# Altium PCB CAMA001AA-PCB.PcbDoc (continued)
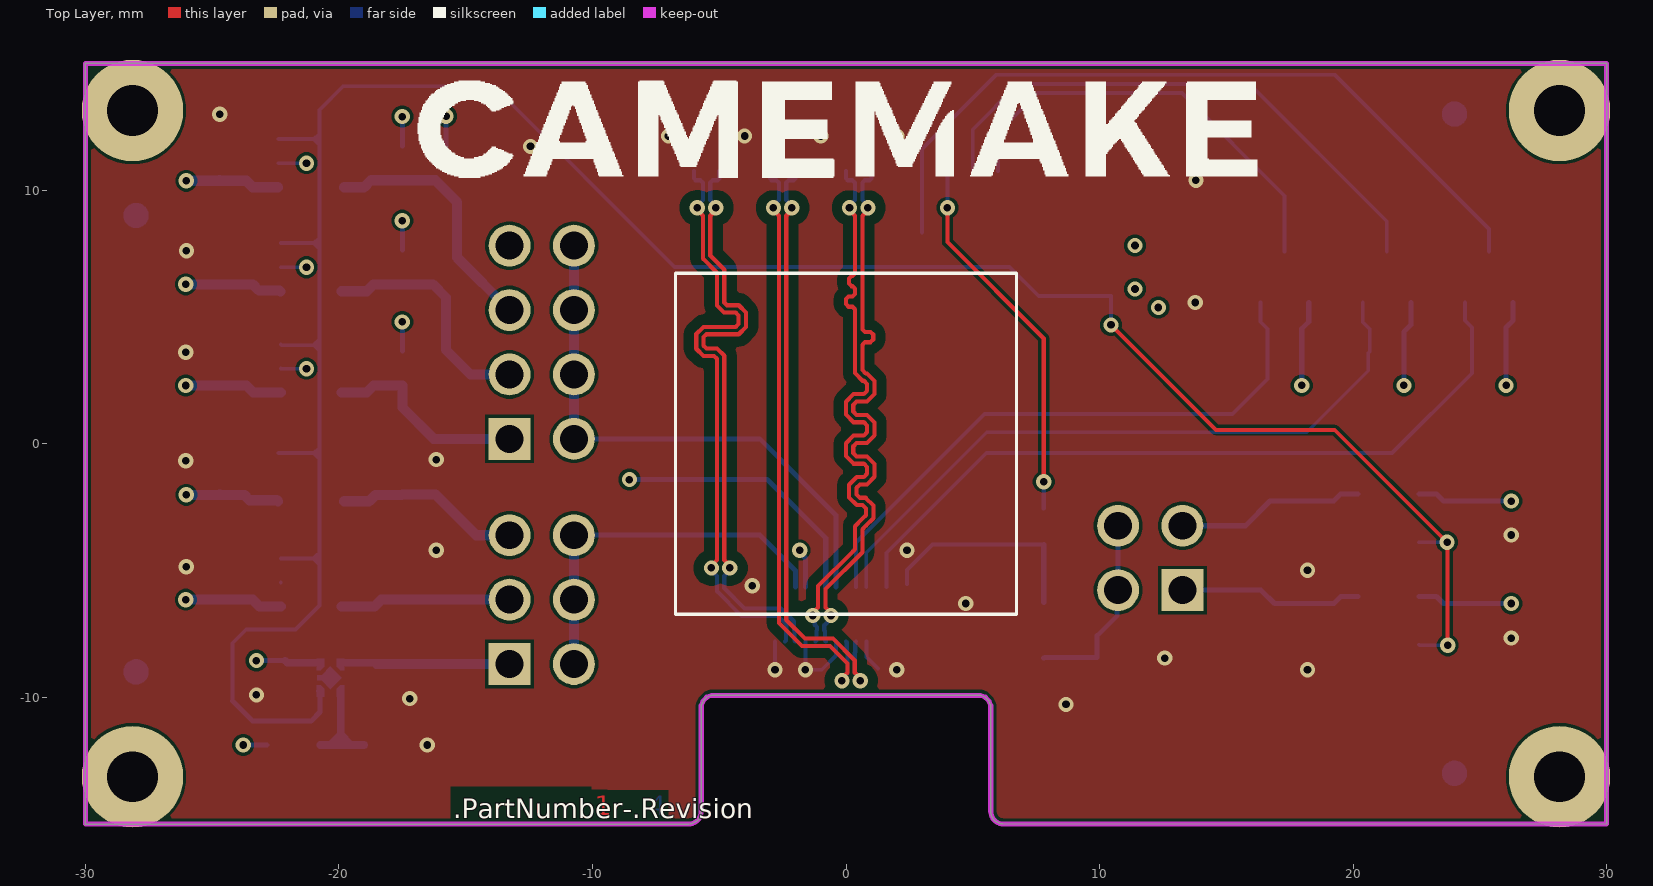
[diagram p0: Top Layer view]
## Footprints (in the part's own frame and the unit in brackets; to place one, negate y for a bottom-side part, rotate by r counter-clockwise, add the part's x,y. Pads: shape width x height; smd on the part's side, far side on the other; paste and mask are expansions set on the pad) (continued)
  Top Layer region: 0,-0.445 -0.446,0 -0.1,0.345 -0.1,0.525 0.1,0.525 0.1,0.345 0.445,0
  silkscreen extent -1.05,-0.45 -0.95,-0.35, body extent -0.6,-0.6 0.6,0.6, height 0.38
"Wurth 61300421121" [mm] "Pin Header, pitch 2.54 mm, THT, Vertical, dual row, 4p"
  rect 1.65x1.65 hole 1.1: 1(-1.27,-1.27)
  round 1.65 hole 1.1: 2(-1.27,1.27) 3(1.27,-1.27) 4(1.27,1.27)
  silkscreen extent -2.69,-2.62 2.69,2.62, body extent -2.54,-2.54 2.54,2.54, height 8.59
"Wurth 61300621121" [mm] "Pin Header, pitch 2.54 mm, THT, Vertical, dual row, 6p"
  rect 1.65x1.65 hole 1.1: 1(-2.54,-1.27)
  round 1.65 hole 1.1: 2(-2.54,1.27) 3(0,-1.27) 4(0,1.27) 5(2.54,-1.27) 6(2.54,1.27)
  silkscreen extent -3.96,-2.62 3.96,2.62, body extent -3.81,-2.54 3.81,2.54, height 8.59
"Wurth 61300821121" [mm] "Pin Header, pitch 2.54 mm, THT, Vertical, dual row, 8p"
  rect 1.65x1.65 hole 1.1: 1(-3.81,-1.27)
  round 1.65 hole 1.1: 2(-3.81,1.27) 3(-1.27,-1.27) 4(-1.27,1.27) 5(1.27,-1.27) 6(1.27,1.27) 7(3.81,-1.27) 8(3.81,1.27)
  silkscreen extent -5.23,-2.62 5.23,2.62, body extent -5.08,-2.54 5.08,2.54, height 8.59
"WURTH 686115183522" [mm] "ZIF Connectors, Horizontal, Bottom Contact Low Profile, pitch 1mm, 15p"
  rect 0.3x1 smd: 1(-7,2.3) 2(-6,2.3) 3(-5,2.3) 4(-4,2.3) 5(-3,2.3) 6(-2,2.3) 7(-1,2.3) 8(0,2.3) 9(1,2.3) 10(2,2.3) 11(3,2.3) 12(4,2.3) 13(5,2.3) 14(6,2.3) 15(7,2.3)
  rect 1.65x1.3 smd: MP1(-9.775,0.4) MP2(9.775,0.4)
  silkscreen extent -10.68,-1.95 10.68,1.95, body extent -10.6,-1.9 10.6,2.35, height 1.24
"Wurth WE-CBF_0805_High Speed" [mm] "SMD EMI Suppression Ferrite  Bead, body 2x1.2mm"
  rect 0.9x1 smd: 1(-1.05,0) 2(1.05,0)
  body extent -1,-0.6 1,0.6, height 0.9

## Part data
C1 C3 C6: library part "Samsung CL10B104KB8NNNL", "CL10 Series 0603 0.1 uF 50 V ±10% Tolerance X7R Multilayer Ceramic Capacitor", Capacitance=100nF, Case/Package=0603, Dielectric=X7R, Manufacturer=Samsung, Max Operating Temperature=125°C, Min Operating Temperature=-55°C, Package Quantity=15000, Supplier Part Number 1=1276-CL10B104KB8NNNLCT-ND, Supplier Part Number 10=CL10B104KB8NNNL-REEL, Supplier Part Number 11=CL10B104KB8NNNL-CUTT, Tolerance=10%, Voltage Rating=50V, Category="Ceramic Capacitors", ComponentLink1Description=https://datasheet.ciiva.com/26838/getdatasheetpartid-357523-26838415.pdf?src-supplier=Verical, ComponentLink1URL=https://datasheet.ciiva.com/26838/getdatasheetpartid-357523-26838415.pdf?src-supplier=Verical, ComponentLink2Description=https://datasheet.ciiva.com/25741/cl10b104kb8nnnl-25741341.pdf?src-supplier=Digi-Key, ComponentLink2URL=https://datasheet.ciiva.com/25741/cl10b104kb8nnnl-25741341.pdf?src-supplier=Digi-Key, Depth=0.8mm, Height=0.8mm, Length=1.6mm, Manufacturer Part Number=CL10B104KB8NNNL, Mount="Surface Mount", Packaging="Tape and Reel", Pricing 1="1=0,10000, 10=0,02900, 50=0,01580, 100=0,01280, 500=0,00916, 1000=0,00720, 2500=0,00654, 5000=0,00602 (USD)", Pricing 2="1=0,10000, 10=0,02900, 50=0,01580, 100=0,01280, 500=0,00916, 1000=0,00720, 2500=0,00654, 5000=0,00602 (USD)", Pricing 3="15000=0,00524, 30000=0,00497, 75000=0,00445, 105000=0,00360, 150000=0,00348, 375000=0,00314 (USD)", Pricing 4="1=0,09800, 1000=0,01180, 2500=0,00890, 5000=0,00720, 10000=0,00580 (USD)", Pricing 5="15000=0,00370, 45000=0,00310, 75000=0,00310, 225000=0,00300, 375000=0,00300 (USD)", Pricing 6="15000=0,00264, 30000=0,00261, 60000=0,00259, 90000=0,00257, 120000=0,00255 (USD)", Pricing 7="15000=0,00500, 45000=0,00500 (USD)", Pricing 8="15000=0,00350, 1=0,02810, 10=0,02460, 25=0,02430, 100=0,02310, 250=0,02280, 500=0,02250, 1000=0,01640, 3000=0,01480, 6000=0,01360, 15000=0,00950 (USD)", Radiation Hardening=No, RoHS=Yes, Stock 1=359524, Stock 2=359524, Stock 3=359524, Stock 4=1530651, Stock 5=1530000, Stock 6=1008000, Stock 7=480000, Stock 8=180000, Supplier 1=Digi-Key, Supplier 2=Digi-Key, Supplier 3=Digi-Key, Supplier 4="Future Electronics", Supplier 5="Future Electronics", Supplier 6=Avnet, Supplier 7=Mouser, Supplier 8="Arrow Electronics", Supplier 9=Digi-Key, Supplier 10="Future Electronics", Supplier 11="Future Electronics", Supplier Part Number 2=1276-CL10B104KB8NNNLDKR-ND, Supplier Part Number 3=1276-CL10B104KB8NNNLTR-ND, Supplier Part Number 4=3113240, Supplier Part Number 5=1051215, Supplier Part Number 6=CL10B104KB8NNNL, Supplier Part Number 7=187-CL10B104KB8NNNL, Supplier Part Number 8=CL10B104KB8NNNL, Supplier Part Number 9=CL10B104KB8NNNL-ND, Thickness=0.035inch, Voltage Rating (DC)=50V, Width=0.031inch
C2: library part "Sasmung CL21A106KOQNNWE", "CAP CER 10UF 16V X5R 0805", Capacitance=10uF, Case Code (Imperial)=0805, Case Code (Metric)=2012, Manufacturer=Samsung, Max Operating Temperature=85°C, Min Operating Temperature=-55°C, Package Quantity=1, Supplier Part Number 1=1276-2894-1-ND, Supplier Part Number 10=CL21A106KOQNNWE-REEL, Tolerance=10%, Voltage Rating=16V, Case/Package=0805, Category="Ceramic Capacitors", ComponentLink1Description=https://datasheet.ciiva.com/25730/cl21a106koqnnwe-25730257.pdf?src-supplier=Digi-Key, ComponentLink1URL=https://datasheet.ciiva.com/25730/cl21a106koqnnwe-25730257.pdf?src-supplier=Digi-Key, Length=0.079inch, Manufacturer Part Number=CL21A106KOQNNWE, Mount="Surface Mount", Packaging="Tape and Reel", Pricing 1="1=0,13000, 10=0,09300, 50=0,05280, 100=0,04370, 500=0,03064, 1000=0,02536 (USD)", Pricing 2="1=0,13000, 10=0,09300, 50=0,05280, 100=0,04370, 500=0,03064, 1000=0,02536 (USD)", Pricing 3="2000=0,02360, 4000=0,02159, 10000=0,02009, 14000=0,01908, 50000=0,01657 (USD)", Pricing 4="1=0,14000, 10=0,10200, 100=0,04800, 500=0,03300, 1000=0,02700, 2000=0,02300, 10000=0,02000, 50000=0,01700 (USD)", Pricing 5="1=0,08030 (USD)", Pricing 6="200000=0,01179, 204000=0,01162, 404000=0,01129, 1000000=0,01104, 2000000=0,01062 (USD)", Pricing 7="1=0,16700, 50=0,06610, 100=0,05610, 250=0,04520, 500=0,03840 (USD)", Pricing 8="2000=0,02900, 8000=0,01610, 20000=0,01510, 50000=0,01420, 80000=0,01380 (USD)", RoHS=Yes, Stock 1=76074, Stock 2=76074, Stock 3=74000, Stock 4=174000, Stock 5=7, Supplier 1=Digi-Key, Supplier 2=Digi-Key, Supplier 3=Digi-Key, Supplier 4=Mouser, Supplier 5="Arrow Electronics", Supplier 6=Avnet, Supplier 7="Future Electronics", Supplier 8="Future Electronics", Supplier 9="Future Electronics", Supplier 10="Future Electronics", Supplier Part Number 2=1276-2894-6-ND, Supplier Part Number 3=1276-2894-2-ND, Supplier Part Number 4=187-CL21A106KOQNNWE, Supplier Part Number 5=CL21A106KOQNNWE, Supplier Part Number 6=CL21A106KOQNNWE, Supplier Part Number 7=4114733, Supplier Part Number 8=5114029, Supplier Part Number 9=CL21A106KOQNNWE-CUTT, Thickness=0.055inch, Width=0.049inch
C4: library part "Taiyo Yuden LMK107B7225KA-TR", "0603 2.2 uF 10 V ±10 % Tolerance X7R Surface Mount Multilayer Ceramic Capacitor", Capacitance=2.2uF, Case/Package=0603, Dielectric=X7R, Manufacturer="Taiyo Yuden", Max Operating Temperature=125°C, Min Operating Temperature=-55°C, Supplier Part Number 1=587-5914-1-ND, Supplier Part Number 10=963-LMK107B7225KA-TR, Supplier Part Number 11=587-5914-2-ND, Supplier Part Number 12=1843774, Supplier Part Number 13=1843774P, Supplier Part Number 14=LMK107B7225KA-TR**MULT1, Supplier Part Number 15=LMK107B7225KA-TR-ND, Tolerance=10%, Voltage Rating=10V, Category="Ceramic Capacitors", ComponentLink1Description=http://www.yuden.co.jp/productdata/catalog/en/mlcc_all_e.pdf?src-supplier=Digi-Key, ComponentLink1URL=http://www.yuden.co.jp/productdata/catalog/en/mlcc_all_e.pdf?src-supplier=Digi-Key, ComponentLink2Description=https://www.yuden.co.jp/productdata/catalog/mlcc01_e.pdf?src-supplier=Digi-Key, ComponentLink2URL=https://www.yuden.co.jp/productdata/catalog/mlcc01_e.pdf?src-supplier=Digi-Key, ComponentLink3Description=http://www.yuden.co.jp/productdata/catalog/en/mlcc_all_e.pdf?src-supplier=Avnet+Asia, ComponentLink3URL=http://www.yuden.co.jp/productdata/catalog/en/mlcc_all_e.pdf?src-supplier=Avnet+Asia, Halogen Free="Halogen Free", Length=0.063inch, Manufacturer Part Number=LMK107B7225KA-TR, Mount="Surface Mount", Packaging="Tape and Reel", Pricing 1="1=0,20000, 10=0,13800, 50=0,08280, 100=0,06990, 500=0,04784, 1000=0,04232 (USD)", Pricing 2="1=0,20000, 10=0,13800, 50=0,08280, 100=0,06990, 500=0,04784, 1000=0,04232 (USD)", Pricing 3="1=0,01900, 4000=0,01900, 8000=0,01900, 16000=0,01900, 24000=0,01900 (USD)", Pricing 4="1=0,03600, 4000=0,03500, 8000=0,03300, 16000=0,02500, 24000=0,02300 (USD)", Pricing 5="4000=0,03800 (USD)", Pricing 6="4000=0,03472, 8000=0,03280, 16000=0,03088, 24000=0,02082, 32000=0,01944, 40000=0,01806, 400000=0,01450 (USD)", Pricing 7="4000=0,06000 (USD)", Pricing 8="1=0,22000, 25=0,15200, 50=0,11400, 100=0,07600, 250=0,06400, 500=0,05200, 4000=0,05200 (USD)", Pricing 9="4000=0,03400, 8000=0,03300, 16000=0,02500, 24000=0,02300 (USD)", Pricing 10="1=0,18000, 10=0,11600, 50=0,11600, 100=0,06700, 500=0,04800, 1000=0,04300, 4000=0,03500, 8000=0,03300, 10000=0,03300 (USD)", Pricing 11="4000=0,03680 (USD)", RoHS=Yes, RoHS Compliant=Yes, Stock 1=1165, Stock 2=1165, Stock 3=60000, Stock 4=8000, Stock 5=1, Stock 6=8000, Stock 7=4000, Supplier 1=Digi-Key, Supplier 2=Digi-Key, Supplier 3=Newark, Supplier 4=Newark, Supplier 5=RSComponents, Supplier 6=Avnet, Supplier 7="Future Electronics", Supplier 8=Newark, Supplier 9=Avnet, Supplier 10=Mouser, Supplier 11=Digi-Key, Supplier 12=RSComponents, Supplier 13=RSComponents, Supplier 14="Arrow Electronics", Supplier 15=Digi-Key, Supplier Part Number 2=587-5914-6-ND, Supplier Part Number 3=68X1539, Supplier Part Number 4=79AH3598, Supplier Part Number 5=1843193, Supplier Part Number 6=LMK107B7225KA-TR, Supplier Part Number 7=2054571, Supplier Part Number 8=02AH5379, Supplier Part Number 9=68X1539, Termination=Wraparound, Thickness=0.035inch, Voltage Rating (DC)=10V, Width=0.031inch
C5 C7 C8 C9 C10 C11 C12 C13 C14 C15 C16 C17 C18 C19 C20: library part "Samsung CL10A105KB8NNNC", "Cap Ceramic 1uF 50V X5R 10% SMD 0603 85C Cardboard T/R", Capacitance=1uF, Case Code (Imperial)=0603, Case Code (Metric)=1608, Dielectric=X5R, Manufacturer=Samsung, Max Operating Temperature=85°C, Min Operating Temperature=-55°C, Package Quantity=1, Supplier Part Number 1=1276-1860-1-ND, Supplier Part Number 10=187-CL10A105KB8NNNC, Supplier Part Number 11=3013383, Supplier Part Number 12=3013383RL, Supplier Part Number 13=3010057, Supplier Part Number 14=42AH1669, Supplier Part Number 15=2988817, Supplier Part Number 16=CL10A105KB8NNNC-CUTT, Supplier Part Number 17=CL10A105KB8NNNC-REEL, Tolerance=10%, Voltage Rating=50V, Case/Package=0603, Category="Ceramic Capacitors", ComponentLink1Description=https://datasheet.ciiva.com/26877/getdatasheetpartid-753736-26877879.pdf?src-supplier=Verical, ComponentLink1URL=https://datasheet.ciiva.com/26877/getdatasheetpartid-753736-26877879.pdf?src-supplier=Verical, Contact Plating=Tin, Depth=0.8mm, Length=1.6mm, Manufacturer Part Number=CL10A105KB8NNNC, Mount="Surface Mount", Packaging="Tape and Reel", Pricing 1="1=0,16000, 10=0,11500, 50=0,06560, 100=0,05430, 500=0,03808, 1000=0,03152 (USD)", Pricing 2="1=0,16000, 10=0,11500, 50=0,06560, 100=0,05430, 500=0,03808, 1000=0,03152 (USD)", Pricing 3="4000=0,02441, 8000=0,02270, 12000=0,02157, 28000=0,02043, 100000=0,01547 (USD)", Pricing 4="1=0,02600, 4000=0,02500, 8000=0,02400, 16000=0,02300 (USD)", Pricing 5="1=0,19200, 25=0,13800, 50=0,07800, 100=0,06500, 250=0,05500, 500=0,04600, 1000=0,03700 (USD)", Pricing 6="4000=0,02554, 8000=0,02298, 16000=0,02158, 24000=0,02155, 32000=0,02055 (USD)", Pricing 7="1=0,16700, 50=0,06930, 100=0,05930, 500=0,04130, 1500=0,03230 (USD)", Pricing 8="4000=0,02140, 12000=0,01780, 20000=0,01760, 40000=0,01730, 80000=0,01710 (USD)", Pricing 9="4000=0,02400, 8000=0,02240, 12000=0,02050, 28000=0,01910, 100000=0,01640, 1=0,10010 (USD)", Pricing 10="1=0,16000, 10=0,11500, 100=0,05400, 500=0,03800, 1000=0,03100, 2500=0,02400, 8000=0,02100, 24000=0,02000 (USD)", Pricing 11="10=0,06830, 100=0,05540, 500=0,03430, 1000=0,02560, 2000=0,02160, 4000=0,01750, 20000=0,01490 (GBP)", Pricing 12="150=0,05540, 500=0,03430, 1000=0,02560, 2000=0,02160, 4000=0,01750, 20000=0,01490 (GBP)", Pricing 13="4000=0,01750, 20000=0,01600 (GBP)", Radiation Hardening=No, RoHS=Yes, Stock 1=1933508, Stock 2=1933508, Stock 3=1933508, Stock 4=132000, Stock 5=4312, Stock 6=116000, Stock 7=45790, Stock 8=44000, Stock 9=8000, Stock 10=218690, Stock 11=19232, Supplier 1=Digi-Key, Supplier 2=Digi-Key, Supplier 3=Digi-Key, Supplier 4=Newark, Supplier 5=Newark, Supplier 6=Avnet, Supplier 7="Future Electronics", Supplier 8="Future Electronics", Supplier 9="Arrow Electronics", Supplier 10=Mouser, Supplier 11=Farnell, Supplier 12=Farnell, Supplier 13=Farnell, Supplier 14=Newark, Supplier 15=Farnell, Supplier 16="Future Electronics", Supplier 17="Future Electronics", Supplier Part Number 2=1276-1860-6-ND, Supplier Part Number 3=1276-1860-2-ND, Supplier Part Number 4=82AC9278, Supplier Part Number 5=82AC9277, Supplier Part Number 6=CL10A105KB8NNNC, Supplier Part Number 7=1025631, Supplier Part Number 8=7019721, Supplier Part Number 9=CL10A105KB8NNNC, Termination=Wraparound, Thickness=0.035inch, Width=0.031inch
FB1 FB2 FB3: library part "Wurth 742792035", "Ferrite Beads WE-CBF 0805 220MHz 300Ohm 300mA", Case Code (Imperial)=0805, Case Code (Metric)=2012, Case/Package=SMD/SMT, Current Rating=300mA, DC Resistance (DCR)=300mR, Inductance=470nH, Manufacturer="Wurth Electronics", Max Operating Temperature=125°C, Min Operating Temperature=-55°C, Package Quantity=4000, Supplier Part Number 1=732-4640-1-ND, Supplier Part Number 10=1633535, Supplier Part Number 11=6694068, Supplier Part Number 12=6694068P, Supplier Part Number 13=70996351, Test Frequency=220MHz, Tolerance=25%, Category="Ferrite Beads and Chips", ComponentLink1Description=https://datasheet.ciiva.com/1474/1696023-1474913.pdf?src-supplier=Farnell, ComponentLink1URL=https://datasheet.ciiva.com/1474/1696023-1474913.pdf?src-supplier=Farnell, ComponentLink2Description=https://datasheet.ciiva.com/23762/742792035-23762913.pdf?src-supplier=Newark, ComponentLink2URL=https://datasheet.ciiva.com/23762/742792035-23762913.pdf?src-supplier=Newark, ComponentLink3Description=https://datasheet.ciiva.com/11803/0900766b80d2dd7e-11803674.pdf?src-supplier=RSComponents, ComponentLink3URL=https://datasheet.ciiva.com/11803/0900766b80d2dd7e-11803674.pdf?src-supplier=RSComponents, ComponentLink4Description=https://datasheet.ciiva.com/1126/1696023-1126566.pdf?src-supplier=Element14, ComponentLink4URL=https://datasheet.ciiva.com/1126/1696023-1126566.pdf?src-supplier=Element14, ComponentLink5Description=https://datasheet.ciiva.com/29363/742792035-29363979.pdf?src-supplier=Digi-Key, ComponentLink5URL=https://datasheet.ciiva.com/29363/742792035-29363979.pdf?src-supplier=Digi-Key, ComponentLink6Description=https://datasheet.ciiva.com/14122/742792035-eng-tds-14122796.pdf?src-supplier=Distrelec, ComponentLink6URL=https://datasheet.ciiva.com/14122/742792035-eng-tds-14122796.pdf?src-supplier=Distrelec, ComponentLink7Description=https://datasheet.ciiva.com/29363/742792035-29363981.pdf?src-supplier=Digi-Key, ComponentLink7URL=https://datasheet.ciiva.com/29363/742792035-29363981.pdf?src-supplier=Digi-Key, Core Material=Ferrite, Depth=1.2mm, Height=0.9mm, Impedance=300R, Length=2mm, Manufacturer Part Number=742792035, Material=Ferrite, Max Current Rating=300mA, Max DC Current=300mA, Mount="Surface Mount", Number of Lines=1, Packaging="Tape and Reel", Pricing 1="1=0,20000, 50=0,19600, 100=0,18000, 500=0,17200, 1000=0,16500, 2000=0,15700 (USD)", REACH SVHC=Unknown, Resistance=300mR, RoHS=Yes, RoHS Compliant=Yes, Series=WE-CBF, Stock 1=8037, Supplier 1=Digi-Key, Supplier 2=Digi-Key, Supplier 3=Digi-Key, Supplier 4=Mouser, Supplier 5=Farnell, Supplier 6=Farnell, Supplier 7=Farnell, Supplier 8=Newark, Supplier 9=Newark, Supplier 10=RSComponents, Supplier 11=RSComponents, Supplier 12=RSComponents, Supplier 13="Allied Electronics", Supplier Part Number 2=732-4640-6-ND, Supplier Part Number 3=732-4640-2-ND, Supplier Part Number 4=710-742792035, Supplier Part Number 5=1635715, Supplier Part Number 6=1635715RL, Supplier Part Number 7=2761562, Supplier Part Number 8=08P2368, Supplier Part Number 9=24AC5587, Termination=SMD/SMT, Weight=0.000194oz, Width=0.047inch
FD1 FD2 FD3 FD4: Manufacturer=/, Package=MSC_FIDUCIAL, id=1, ManufacturerRef=Fiducial
IC1: library part "ON Semi NCV8163ASN270T1G", "LDO Regulator Pos 2.7V 0.25A Automotive 5-Pin TSOP T/R", Manufacturer="ON Semiconductor", Category="Voltage Regulators - Linear", ComponentLink1Description=http://www.onsemi.com/pub/Collateral/NCV8163-D.PDF?src-supplier=Digi-Key, ComponentLink1URL=http://www.onsemi.com/pub/Collateral/NCV8163-D.PDF?src-supplier=Digi-Key, Manufacturer Part Number=NCV8163ASN270T1G, Pricing 1="1225=0,30207, 1300=0,2939, 2500=0,28574, 6200=0,27758, 13000=0,26941, 62000=0,26125, 130000=0,25308 (USD)", Pricing 2="1=0,77, 10=0,68, 25=0,6392, 100=0,4844, 250=0,41228, 500=0,39166, 1000=0,2989 (USD)", Pricing 3="1=0,77, 10=0,68, 25=0,6392, 100=0,4844, 250=0,41228, 500=0,39166, 1000=0,2989 (USD)", Pricing 4="3000=0,27829, 6000=0,26798, 15000=0,25768, 30000=0,25355 (USD)", Pricing 5="1=0,77, 10=0,64, 50=0,64, 100=0,413, 1000=0,299, 10000=0,257 (USD)", Pricing 6="1=0,3356 (USD)", RoHS=Yes, RoHS Compliant=Yes, Stock 1=108000, Stock 2=5448, Stock 3=5448, Stock 4=3000, Stock 5=2985, Stock 6=5253, Supplier 1=Avnet, Supplier 2=Digi-Key, Supplier 3=Digi-Key, Supplier 4=Digi-Key, Supplier 5=Mouser, Supplier 6=Heisener, Supplier Part Number 1=NCV8163ASN270T1G, Supplier Part Number 2=488-NCV8163ASN270T1GCT-ND, Supplier Part Number 3=488-NCV8163ASN270T1GDKR-ND, Supplier Part Number 4=488-NCV8163ASN270T1GTR-ND, Supplier Part Number 5=863-NCV8163ASN270T1G, Supplier Part Number 6=NCV8163ASN270T1G
IC2: library part "Toshiba TCR8BM105,L3F", "Low Drop-Out Regulator Positive 1.05V 800mA 5-Pin DFN-B", Manufacturer=Toshiba, Supplier Part Number 1=757-TCR8BM105L3F, Category=Uncategorized, Manufacturer Part Number=TCR8BM105,L3F, Pricing 1="1=0,45000, 10=0,36100, 50=0,36100, 100=0,26800, 1000=0,17600, 10000=0,14800 (USD)", Pricing 2="1=0,45000, 10=0,38600, 25=0,36040, 100=0,28840, 250=0,26780, 500=0,22660, 1000=0,17510, 2500=0,15965 (USD)", Pricing 3="5000=0,15831 (USD)", Pricing 4="5000=0,15759, 10000=0,15347, 20000=0,14626, 30000=0,14214, 40000=0,13905, 50000=0,13493, 500000=0,13184 (USD)", RoHS=No, Stock 1=4989, Stock 2=4994, Stock 3=5000, Supplier 1=Mouser, Supplier 2=Digi-Key, Supplier 3=Digi-Key, Supplier 4=Avnet, Supplier Part Number 2=TCR8BM105L3FCT-ND, Supplier Part Number 3=TCR8BM105L3FTR-ND, Supplier Part Number 4=TCR8BM105,L3F
IC3: library part "Diodes AP2112K-1.8TRG1", "LDO Regulator Pos 1.8V 0.6A 5-Pin SOT-23 T/R", Case/Package=SOT-23-5, Dropout Voltage=500mV, Manufacturer=Diodes, Max Input Voltage=6V, Max Operating Temperature=85°C, Max Output Current=600mA, Min Input Voltage=2.5V, Min Operating Temperature=-40°C, Output Voltage=1.8V, Package Quantity=3000, Quiescent Current=80uA, Supplier Part Number 10=3482764RL, Supplier Part Number 11=70550982, Supplier Part Number 12=AP2112K-1.8TRG1-REEL, Supplier Part Number 13=1223348, Supplier Part Number 14=8283506, Supplier Part Number 15=8283506P, Accuracy=1.5%, Category="Voltage Regulators - Linear", ComponentLink1Description=https://datasheet.ciiva.com/30016/ap2112-30016791.pdf?src-supplier=Avnet, ComponentLink1URL=https://datasheet.ciiva.com/30016/ap2112-30016791.pdf?src-supplier=Avnet, ComponentLink2Description=https://datasheet.ciiva.com/29569/ap2112-29569045.pdf?src-supplier=Digi-Key, ComponentLink2URL=https://datasheet.ciiva.com/29569/ap2112-29569045.pdf?src-supplier=Digi-Key, ComponentLink3Description=https://datasheet.ciiva.com/29569/ap2112-29569046.pdf?src-supplier=Digi-Key, ComponentLink3URL=https://datasheet.ciiva.com/29569/ap2112-29569046.pdf?src-supplier=Digi-Key, ComponentLink4Description=https://datasheet.ciiva.com/29569/ap2112-29569047.pdf?src-supplier=Digi-Key, ComponentLink4URL=https://datasheet.ciiva.com/29569/ap2112-29569047.pdf?src-supplier=Digi-Key, Height=1.3mm, Length=3.1mm, Manufacturer Part Number=AP2112K-1.8TRG1, Mount="Surface Mount", Number of Outputs=1, Number of Pins=5, Number of Regulators=1, Output Current=600mA, Output Type=Fixed, Packaging="Tape and Reel", Polarity=Positive, Pricing 1="1=0,35440, 10=0,28930, 25=0,27230, 100=0,19230, 250=0,17660, 500=0,14510, 1000=0,10860 (USD)", Pricing 2="5=0,37000, 10=0,30100, 25=0,27500, 50=0,24000, 100=0,20500, 250=0,18600, 500=0,15300, 1000=0,11500 (USD)", Pricing 3="1=0,37000, 10=0,30200, 50=0,30200, 100=0,18600, 1000=0,11600, 10000=0,09200 (USD)", Pricing 4="1=0,37000, 10=0,30100, 25=0,27560, 100=0,20520, 250=0,18596, 500=0,15392, 1000=0,11543 (USD)", Pricing 5="1=0,37000, 10=0,30100, 25=0,27560, 100=0,20520, 250=0,18596, 500=0,15392, 1000=0,11543 (USD)", Pricing 6="3000=0,10581, 6000=0,09940, 15000=0,09299, 30000=0,09075 (USD)", Pricing 7="3000=0,07384, 6000=0,07119, 12000=0,06905, 18000=0,06703, 24000=0,06451, 30000=0,06350, 300000=0,06250 (USD)", Pricing 8="3000=0,11700, 9000=0,11400, 15000=0,11200, 45000=0,10900, 75000=0,10700 (USD)", Pricing 9="5=0,41400, 10=0,33800, 100=0,20700, 500=0,17200 (GBP)", Pricing 10="100=0,20700, 500=0,17200 (GBP)", RoHS=Yes, RoHS Compliant=Yes, Stock 1=1950, Stock 2=2775, Stock 3=1407, Stock 4=54271, Stock 5=54271, Stock 6=54000, Stock 9=2775, Stock 10=2775, Supplier 1="Arrow Electronics", Supplier 2=Newark, Supplier 3=Mouser, Supplier 4=Digi-Key, Supplier 5=Digi-Key, Supplier 6=Digi-Key, Supplier 7=Avnet, Supplier 8="Future Electronics", Supplier 9=Farnell, Supplier 10=Farnell, Supplier 11="Allied Electronics", Supplier 12="Future Electronics", Supplier 13=RSComponents, Supplier 14=RSComponents, Supplier 15=RSComponents, Supplier Part Number 1=AP2112K-1.8TRG1, Supplier Part Number 2=76AH4595, Supplier Part Number 3=621-AP2112K-1.8TRG1, Supplier Part Number 4=AP2112K-1.8TRG1DICT-ND, Supplier Part Number 5=AP2112K-1.8TRG1DIDKR-ND, Supplier Part Number 6=AP2112K-1.8TRG1DITR-ND, Supplier Part Number 7=AP2112K-1.8TRG1, Supplier Part Number 8=8050397, Supplier Part Number 9=3482764, Width=1.7mm
IC4 IC6: library part "ON Semi NCV8163ASN280T1G", "LDO Regulator Pos 2.8V 0.25A Automotive 5-Pin TSOP T/R", Manufacturer="ON Semiconductor", Supplier Part Number 10=1858116, Supplier Part Number 11=6107929, Supplier Part Number 13=84AC7270, Category="Voltage Regulators - Linear", ComponentLink1Description=http://www.onsemi.com/pub/Collateral/NCV8163-D.PDF?src-supplier=Digi-Key, ComponentLink1URL=http://www.onsemi.com/pub/Collateral/NCV8163-D.PDF?src-supplier=Digi-Key, ComponentLink2Description=https://datasheet.octopart.com/NCV8163ASN280T1G-ON-Semiconductor-datasheet-139012533.pdf?src-supplier=Future+Electronics, ComponentLink2URL=https://datasheet.octopart.com/NCV8163ASN280T1G-ON-Semiconductor-datasheet-139012533.pdf?src-supplier=Future+Electronics, Manufacturer Part Number=NCV8163ASN280T1G, Pricing 1="3000=0,2065, 9000=0,1966, 24000=0,1955, 45000=0,1905 (USD)", Pricing 2="1=0,59, 10=0,521, 25=0,4896, 100=0,3712, 250=0,31592, 500=0,30014, 1000=0,22905 (USD)", Pricing 3="1=0,59, 10=0,521, 25=0,4896, 100=0,3712, 250=0,31592, 500=0,30014, 1000=0,22905 (USD)", Pricing 4="3000=0,21325, 6000=0,20535, 15000=0,19745, 30000=0,1943 (USD)", Pricing 5="1=0,163 (EUR)", Pricing 6="100=0,163 (EUR)", Pricing 7="1=0,42, 10=0,359, 50=0,359, 100=0,263, 1000=0,218, 10000=0,197 (USD)", Pricing 8="105=0,284, 1005=0,21, 3000=0,193, 9000=0,189 (EUR)", Pricing 9="15=0,473, 105=0,284, 1005=0,21, 3000=0,193, 9000=0,189 (EUR)", Pricing 10="3000=0,208 (EUR)", Pricing 11="3000=0,21, 6000=0,205, 12000=0,2, 15000=0,2, 45000=0,193 (USD)", Pricing 12="6000=0,23147, 12000=0,22522, 18000=0,21896, 30000=0,2127, 60000=0,20645, 300000=0,20019, 600000=0,19394 (USD)", Pricing 13="1=0,602, 10=0,531, 25=0,499, 50=0,439, 100=0,378, 250=0,321, 500=0,306, 1000=0,234 (USD)", Pricing 14="1=0,6483 (USD)", RoHS=Yes, Stock 1=6000, Stock 2=8670, Stock 3=8670, Stock 4=6000, Stock 5=2990, Stock 6=2990, Stock 7=8905, Stock 13=2990, Stock 14=5425, Supplier 1="Arrow Electronics", Supplier 2=Digi-Key, Supplier 3=Digi-Key, Supplier 4=Digi-Key, Supplier 5=Farnell, Supplier 6=Farnell, Supplier 7=Mouser, Supplier 8=Rs, Supplier 9=Rs, Supplier 10=Rs, Supplier 11="Future Electronics", Supplier 12=Avnet, Supplier 13=Newark, Supplier 14=Heisener, Supplier Part Number 1=NCV8163ASN280T1G, Supplier Part Number 2=NCV8163ASN280T1GOSCT-ND, Supplier Part Number 3=NCV8163ASN280T1GOSDKR-ND, Supplier Part Number 4=NCV8163ASN280T1GOSTR-ND, Supplier Part Number 5=2981199, Supplier Part Number 6=2981199RL, Supplier Part Number 7=863-NCV8163ASN280T1G, Supplier Part Number 8=1858827P, Supplier Part Number 9=1858827, Supplier Part Number 12=NCV8163ASN280T1G, Supplier Part Number 14=NCV8163ASN280T1G
IC5: library part "Diodes AP2112K-1.2TRG1", "LDO Regulator Pos 1.2V 0.6A 5-Pin SOT-23 T/R", Manufacturer=Diodes, Supplier Part Number 1=31-AP2112K-1.2TRG1CT-ND, Category="Voltage Regulators - Linear", ComponentLink1Description=https://datasheet.ciiva.com/30016/ap2112-30016790.pdf?src-supplier=Avnet, ComponentLink1URL=https://datasheet.ciiva.com/30016/ap2112-30016790.pdf?src-supplier=Avnet, ComponentLink2Description=https://datasheet.ciiva.com/29568/ap2112-29568630.pdf?src-supplier=Digi-Key, ComponentLink2URL=https://datasheet.ciiva.com/29568/ap2112-29568630.pdf?src-supplier=Digi-Key, Manufacturer Part Number=AP2112K-1.2TRG1, Pricing 1="1=0,35, 10=0,287, 25=0,2628, 100=0,1955, 250=0,1772, 500=0,14666, 1000=0,10999 (USD)", Pricing 2="1=0,35, 10=0,287, 25=0,2628, 100=0,1955, 250=0,1772, 500=0,14666, 1000=0,10999 (USD)", Pricing 3="3000=0,10082, 6000=0,09471, 15000=0,0886, 30000=0,08127, 75000=0,07821 (USD)", Pricing 4="5=0,393, 10=0,315, 100=0,173, 500=0,143, 1000=0,107, 3000=0,0978, 6000=0,0855, 12000=0,0837 (EUR)", Pricing 5="100=0,173, 500=0,143, 1000=0,107, 3000=0,0978, 6000=0,0855, 12000=0,0837 (EUR)", Pricing 6="1=0,35, 10=0,285, 50=0,285, 100=0,194, 1000=0,109, 10000=0,087 (USD)", Pricing 7="3000=0,07384, 6000=0,07119, 12000=0,06905, 18000=0,06703, 24000=0,06451, 30000=0,0635, 300000=0,0625 (USD)", Pricing 8="3000=0,0807, 9000=0,0777, 15000=0,0764, 60000=0,0728, 90000=0,0706 (USD)", Pricing 9="1=0,377, 5=0,377, 10=0,308, 25=0,268, 50=0,23, 100=0,19, 250=0,173, 500=0,157, 1000=0,118 (USD)", Pricing 10="1=0,1109 (USD)", RoHS=Yes, Stock 1=3000, Stock 2=3000, Stock 3=3000, Stock 4=3000, Stock 5=3000, Stock 6=3603, Stock 9=3000, Stock 10=251470, Supplier 1=Digi-Key, Supplier 2=Digi-Key, Supplier 3=Digi-Key, Supplier 4=Farnell, Supplier 5=Farnell, Supplier 6=Mouser, Supplier 7=Avnet, Supplier 8="Future Electronics", Supplier 9=Newark, Supplier 10=Heisener, Supplier Part Number 2=31-AP2112K-1.2TRG1DKR-ND, Supplier Part Number 3=31-AP2112K-1.2TRG1TR-ND, Supplier Part Number 4=3942373, Supplier Part Number 5=3942373RL, Supplier Part Number 6=621-AP2112K-1.2TRG1, Supplier Part Number 7=AP2112K-1.2TRG1, Supplier Part Number 8=3106628, Supplier Part Number 9=28AK5647, Supplier Part Number 10=AP2112K-1.2TRG1
IC7: library part "TI LP5907MFX-2.9/NOPB", "LDO Regulator Pos 2.9V 0.25A 5-Pin SOT-23 T/R", Manufacturer="Texas Instruments", Supplier Part Number 1=595-LP5907MFX2.9NOPB, Category="Voltage Regulators - Linear", ComponentLink1Description=https://media.digikey.com/pdf/Data%20Sheets/Texas%20Instruments%20PDFs/ConnectedSensorAutoSystemsGuide.pdf?src-supplier=Digi-Key, ComponentLink1URL=https://media.digikey.com/pdf/Data%20Sheets/Texas%20Instruments%20PDFs/ConnectedSensorAutoSystemsGuide.pdf?src-supplier=Digi-Key, ComponentLink2Description=http://www.ti.com/general/docs/suppproductinfo.tsp?distId=10&amp;gotoUrl=http%3A%2F%2Fwww.ti.com%2Flit%2Fgpn%2Flp5907&src-supplier=Digi-Key, ComponentLink2URL=http://www.ti.com/general/docs/suppproductinfo.tsp?distId=10&amp;gotoUrl=http%3A%2F%2Fwww.ti.com%2Flit%2Fgpn%2Flp5907&src-supplier=Digi-Key, Manufacturer Part Number=LP5907MFX-2.9/NOPB, Pricing 1="1=0,42, 10=0,344, 50=0,344, 100=0,277, 1000=0,216, 10000=0,194 (USD)", Pricing 2="1=0,1963, 10=0,1883, 25=0,1864, 100=0,1763, 250=0,1745 (USD)", Pricing 3="1=0,66, 10=0,564, 25=0,5268, 100=0,4214, 250=0,39128, 500=0,33108, 1000=0,25583 (USD)", Pricing 4="1=0,66, 10=0,564, 25=0,5268, 100=0,4214, 250=0,39128, 500=0,33108, 1000=0,25583 (USD)", Pricing 5="3000=0,23326, 6000=0,21821, 15000=0,20316, 30000=0,19263 (USD)", Pricing 6="1=0,6293 (USD)", RoHS=Yes, Stock 1=5460, Stock 2=477, Stock 3=4653, Stock 4=4653, Stock 5=3000, Stock 6=3895, Supplier 1=Mouser, Supplier 2="Arrow Electronics", Supplier 3=Digi-Key, Supplier 4=Digi-Key, Supplier 5=Digi-Key, Supplier 6=Heisener, Supplier Part Number 2=LP5907MFX-2.9/NOPB, Supplier Part Number 3=296-47488-1-ND, Supplier Part Number 4=296-47488-6-ND, Supplier Part Number 5=296-47488-2-ND, Supplier Part Number 6=LP5907MFX-2.9/NOPB
IC8: library part "TI TLV75515PDBVR", "500-mA, high-PSRR, low-IQ, low-dropout voltage regulator with enable 5-SOT-23 -40 to 125", Manufacturer="Texas Instruments", Supplier Part Number 1=595-TLV75515PDBVR, Category="Integrated Circuits (ICs)", ComponentLink1Description=http://www.ti.com/general/docs/suppproductinfo.tsp?distId=10&amp;gotoUrl=http%3A%2F%2Fwww.ti.com%2Flit%2Fgpn%2Ftlv755p&src-supplier=Digi-Key, ComponentLink1URL=http://www.ti.com/general/docs/suppproductinfo.tsp?distId=10&amp;gotoUrl=http%3A%2F%2Fwww.ti.com%2Flit%2Fgpn%2Ftlv755p&src-supplier=Digi-Key, Manufacturer Part Number=TLV75515PDBVR, Pricing 1="1=0,34, 10=0,279, 50=0,279, 100=0,211, 1000=0,147, 10000=0,109 (USD)", Pricing 2="1=0,2113, 10=0,1935, 25=0,1918, 100=0,1665, 250=0,1629, 500=0,1534, 1000=0,1339 (USD)", Pricing 3="1=0,44, 10=0,375, 25=0,35, 100=0,28, 250=0,25996, 500=0,21998, 1000=0,16998 (USD)", Pricing 4="1=0,44, 10=0,375, 25=0,35, 100=0,28, 250=0,25996, 500=0,21998, 1000=0,16998 (USD)", Pricing 5="3000=0,15498, 6000=0,14499, 15000=0,13499, 30000=0,12799, 75000=0,12499 (USD)", Pricing 6="1=0,3679 (USD)", RoHS=Yes, Stock 1=7308, Stock 2=2535, Stock 3=12565, Stock 4=12565, Stock 5=6000, Stock 6=4417, Supplier 1=Mouser, Supplier 2="Arrow Electronics", Supplier 3=Digi-Key, Supplier 4=Digi-Key, Supplier 5=Digi-Key, Supplier 6=Heisener, Supplier Part Number 2=TLV75515PDBVR, Supplier Part Number 3=296-51787-1-ND, Supplier Part Number 4=296-51787-6-ND, Supplier Part Number 5=296-51787-2-ND, Supplier Part Number 6=TLV75515PDBVR
J1: library part "AVX 245804030000829+", "30 Position .04 mm Pitch Microleaf Mezzanine Connector", Manufacturer="Kyocera AVX", Supplier Part Number 1=478-12013-1-ND, Supplier Part Number 10=4098264, Category="Headers and Wire Housings", ComponentLink1Description=http://global.kyocera.com/prdct/electro/product/pdf/5804.pdf?src-supplier=Digi-Key, ComponentLink1URL=http://global.kyocera.com/prdct/electro/product/pdf/5804.pdf?src-supplier=Digi-Key, Manufacturer Part Number=245804030000829+, Pricing 1="1=0,83000, 10=0,69800, 25=0,66960, 50=0,65540, 100=0,62690, 250=0,56992, 500=0,51294, 1000=0,45595 (USD)", Pricing 2="1=0,83000, 10=0,69800, 25=0,66960, 50=0,65540, 100=0,62690, 250=0,56992, 500=0,51294, 1000=0,45595, 3000=0,41321, 6000=0,39896, 9000=0,37996 (USD)", Pricing 3="3000=0,41321, 6000=0,39896, 9000=0,37996 (USD)", Pricing 4="1=1,53000, 10=1,40000, 20=1,36000, 50=1,31000, 100=1,22000, 200=1,07000, 500=1,02000, 1000=0,96600, 2000=0,90500, 10000=0,90500 (USD)", Pricing 5="6000=0,38539, 12000=0,37996, 18000=0,36910, 30000=0,36096, 60000=0,34739, 300000=0,33925, 600000=0,33111 (USD)", Pricing 6="3000=0,36500 (USD)", RoHS=Yes, RoHS Compliant=Yes, Stock 1=11955, Stock 2=9000, Stock 3=9000, Stock 4=1221, Supplier 1=Digi-Key, Supplier 2=Digi-Key, Supplier 3=Digi-Key, Supplier 4=Mouser, Supplier 5=Avnet, Supplier 6="Future Electronics", Supplier 7=Newark, Supplier 8="Arrow Electronics", Supplier 9=Digi-Key, Supplier 10="Future Electronics", Supplier Part Number 2=478-245804030000829+-ND, Supplier Part Number 3=478-12013-2-ND, Supplier Part Number 4=581-245804030000829+, Supplier Part Number 5=245804030000829+, Supplier Part Number 6=8075320, Supplier Part Number 7=64W1792, Supplier Part Number 8=245804030000829+, Supplier Part Number 9=478-12013-6-ND
J2: library part "Wurth 686115183522", "WR-FPC SMT ZIF Horizontal Bottom Contact Low Profile, pitch 1mm, 15p", Contact Resistance=30mOhm, Manufacturer="Wurth Elektronik", Operating Temperature="-25 to +85degC", Rated Current=0.8A, Supplier Part Number 1=732-11331-1-ND, Working Voltage=50VAC, ComponentLink1Description=Manufacturer, ComponentLink1URL=http://www.we-online.de, ComponentLink2Description=Datasheet, ComponentLink2URL=https://katalog.we-online.com/em/datasheet/686115183522.pdf, Length=21.2mm, Manufacturer Part Number=686115183522, Mounting Technology=SMT, Packaging="Tape and Reel", Pin Number=15, Pitch=1mm, Published Date="March 2021", Supplier 1=Digi-Key, Supplier 2=Digi-Key, Supplier 3=Newark, Supplier 4=Mouser, Supplier 5=RSComponents, Supplier 6=Digi-Key, Supplier 7=Farnell, Supplier 8=RSComponents, Supplier 9=RSComponents, Supplier Part Number 2=732-11331-6-ND, Supplier Part Number 3=15AC9059, Supplier Part Number 4=710-686115183522, Supplier Part Number 5=1418556, Supplier Part Number 6=732-11331-2-ND, Supplier Part Number 7=2748985, Supplier Part Number 8=1424133, Supplier Part Number 9=1424133P, Type=Horizontal
J3: library part "Wurth 61300821121", "WR-PHD Pin Header, THT, pitch 2.54mm, Dual Row, Vertical, 8pin", Color=Black, Contact Resistance=20mOhm, Manufacturer="Wurth Electronics", Operating Temperature="-40 to +105degC", Rated Current=3A, Supplier Part Number 1=732-5296-ND, Withstanding Voltage=500VAC, Working Voltage=250VAC, ComponentLink1Description=Manufacturer, ComponentLink1URL=http://www.we-online.de, ComponentLink2Description=Datasheet, ComponentLink2URL=https://katalog.we-online.de/em/datasheet/6130xx21121.pdf, ComponentLink3Description=https://datasheet.ciiva.com/28505/1442180-28505510.pdf?src-supplier=Element14, ComponentLink3URL=https://datasheet.ciiva.com/28505/1442180-28505510.pdf?src-supplier=Element14, Connector Type="Male Pin", Contact Material=Copper, Contact Mating Length=0.236inch, Contact Plating=Gold, Gender=Male, Lead Free="Lead Free", Manufacturer Part Number=61300821121, Mount="Through Hole", Mounting Technology=THT, Number of Contacts=8, Number of Positions=8, Number of Rows=2, Orientation=Vertical, Packaging=Bag, PART NUMBER=61300821121, Pin Number=8, Pitch=2.54mm, Pricing 1="1=0,66000, 10=0,55700, 25=0,46400, 50=0,38700, 100=0,35200, 1000=0,32000 (USD)", Pricing 2="5=0,58800, 125=0,30400, 500=0,28800, 2500=0,27400, 5000=0,26000 (EUR)", Pricing 3="125=0,30400, 500=0,28800, 2500=0,27400, 5000=0,26000 (EUR)", Pricing 4="1=0,66000, 10=0,55700, 25=0,46400, 50=0,38700, 100=0,35200, 1000=0,32000, 10000=0,32000 (USD)", Pricing 5="1=0,66000, 10=0,55700, 25=0,46400, 50=0,38700, 100=0,35200, 500=0,33600, 1000=0,32000 (USD)", Published Date="June 2019", Publisher="Wurth Elektronik", REACH SVHC=Unknown, RoHS=Yes, Row Number=Dual, Row Spacing=0.1inch, Stock 1=2816, Stock 2=270, Stock 3=20, Stock 4=508, Stock 5=2004, Supplier 1=Digi-Key, Supplier 2=RSComponents, Supplier 3=RSComponents, Supplier 4=Mouser, Supplier 5=Newark, Supplier Part Number 2=8281525, Supplier Part Number 3=8281525P, Supplier Part Number 4=710-61300821121, Supplier Part Number 5=20X0965, Termination=Solder
J4: library part "Wurth 61300621121", "WURTH ELEKTRONIK         61300621121            Board-To-Board Connector, Vertical, WR-PHD Series, Through Hole, Header, 6 Contacts, 2.54 mm", Color=Black, Contact Resistance="20 mOhm", Manufacturer="Wurth Electronics", Operating Temperature="-40 to 105 degC", Rated Current="3 A", Supplier Part Number 1=732-5295-ND, Withstanding Voltage="500 VAC", Working Voltage="250 VAC", Category=Connectors, ComponentLink1Description=Manufacturer, ComponentLink1URL=http://www.we-online.de, ComponentLink2Description=Datasheet, ComponentLink2URL=https://katalog.we-online.de/em/datasheet/6130xx21121.pdf, ComponentLink3Description=https://datasheet.ciiva.com/28505/1442180-28505463.pdf?src-supplier=Element14, ComponentLink3URL=https://datasheet.ciiva.com/28505/1442180-28505463.pdf?src-supplier=Element14, Connector Type="Male Pin", Contact Material=Copper, Contact Mating Length=0.236inch, Contact Plating=Gold, Gender=Male, Manufacturer Part Number=61300621121, Mount="Through Hole", Mounting Technology=THT, Number of Contacts=6, Number of Positions=6, Number of Rows=2, Orientation=Vertical, Packaging=Bag, PART NUMBER=61300621121, Pin Number=6, Pitch="2.54 mm", Pricing 1="1=0,54000, 10=0,45400, 25=0,37920, 50=0,31600, 100=0,28700, 1000=0,26100 (USD)", Pricing 2="10=0,28200, 100=0,25700, 500=0,25400, 1000=0,25000, 2500=0,24500, 5000=0,24000 (EUR)", Pricing 3="1=0,54000, 10=0,45400, 25=0,37900, 50=0,31600, 100=0,28700, 250=0,28700 (USD)", Pricing 4="5=0,48000, 125=0,25400, 500=0,24200, 2500=0,23000, 5000=0,21800 (EUR)", Pricing 5="125=0,25400, 500=0,24200, 2500=0,23000, 5000=0,21800 (EUR)", Pricing 6="1000=0,24700 (EUR)", Pricing 7="1=0,17900, 10=0,17900, 25=0,17900, 50=0,17900, 100=0,17900, 500=0,17900, 1000=0,17900 (USD)", Published Date="August 2018", Publisher="Wurth Elektronik", REACH SVHC=Unknown, RoHS=Yes, Row Number=Dual, Row Spacing=0.1inch, Stock 1=2352, Stock 2=2642, Stock 3=1757, Stock 4=240, Stock 5=240, Stock 7=1000, Supplier 1=Digi-Key, Supplier 2=Farnell, Supplier 3=Mouser, Supplier 4=RSComponents, Supplier 5=RSComponents, Supplier 6=RSComponents, Supplier 7=Newark, Supplier Part Number 2=2356131, Supplier Part Number 3=710-61300621121, Supplier Part Number 4=8281522, Supplier Part Number 5=8281522P, Supplier Part Number 6=1635258, Supplier Part Number 7=20X0959, Termination=Solder